# Altium PCB NGIStepDownPCB.PcbDoc (part 1 of 2) (continued)
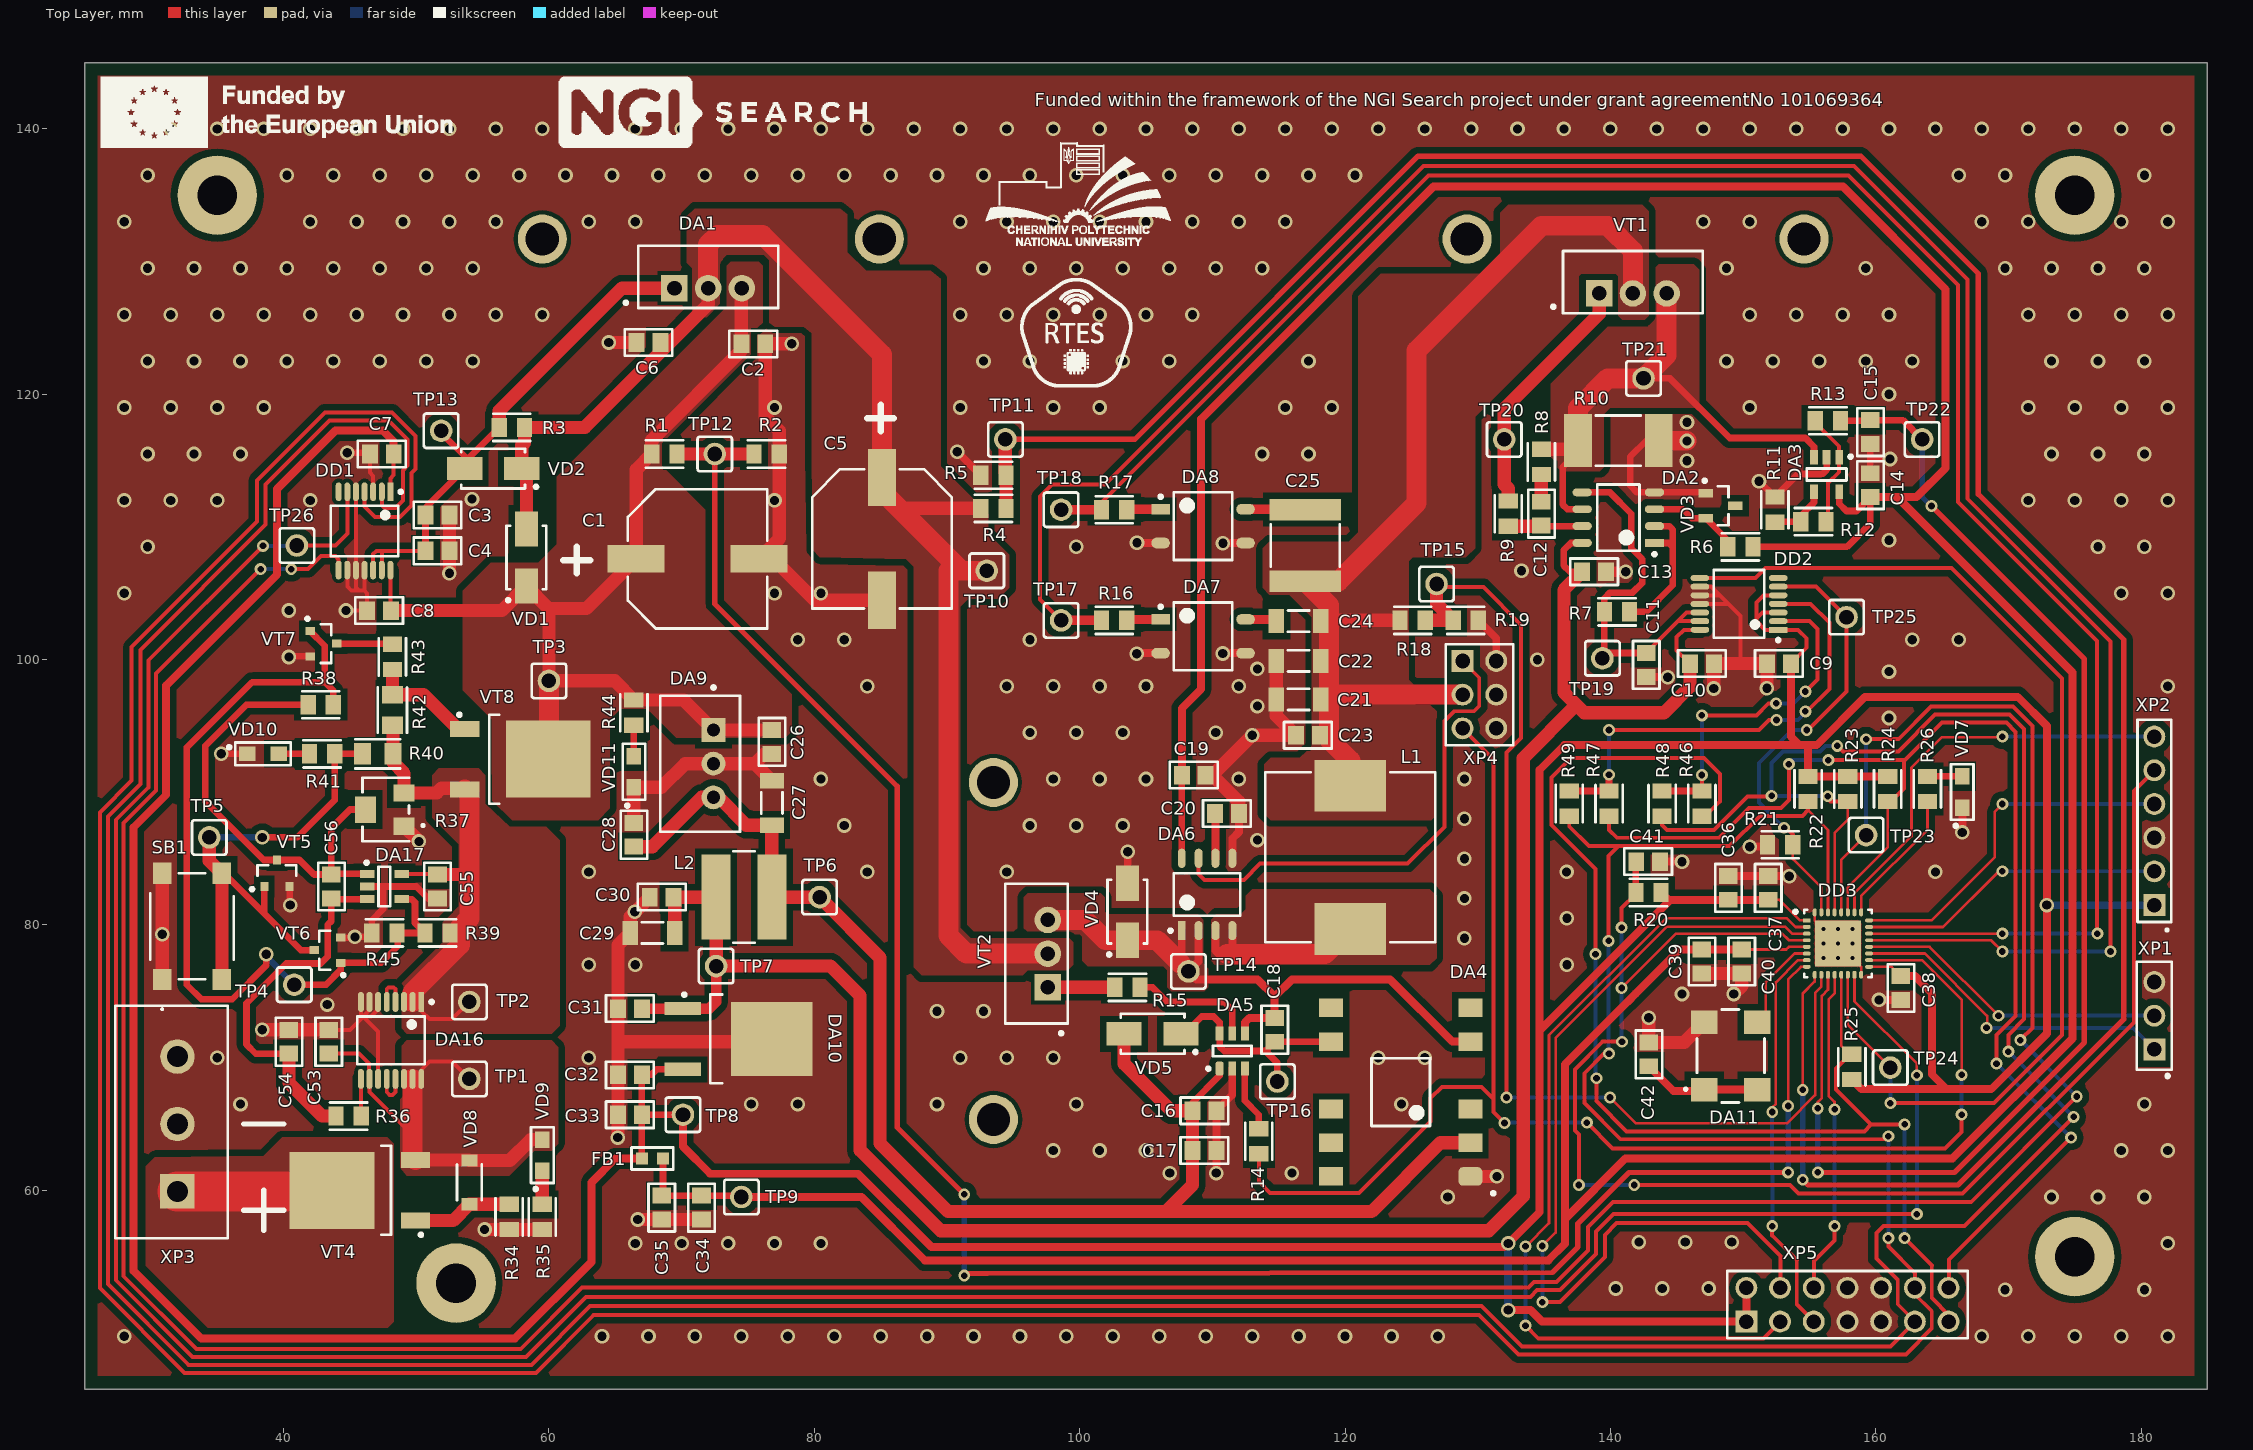
[diagram p0: Top Layer view]
## Components (designator, comment, footprint, x,y, rotation, side; value= is the part's Value field where it differs from the comment) (continued)
DA7 "G3VM-61GR2" SOP-4 109.3,101.76 r0 top
DA8 "G3VM-61GR2" SOP-4 109.3,110.06 r0 top
DA9 "PXO7812-500-S" PXO7812-500-S_POSITIVEOUTPUT 72.4,94.7 r270 top
DA10 "UA78M33CKVURG3" "TO-252 3pin THICKNESS2.52" 74.3,71.41 r0 top
DA11 "ASV-8.000MHZ-EJ-T" "HCMOS 7 mm x 5 mm" 148.9,70.25 r0 top value="8 Mhz"
DA16 "INA250A1PWR" TSSOP-16 48.1,71.3 r270 top
DA17 "TLV1701AIDCKR" "SOT-23 5pin" 47.6,82.9 r0 top
DD1 "MCP45HV51-502E/ST" TSOP-14 46.1,109.7 r270 top
DD2 "MCP45HV51-502E/ST" TSOP-14 149.7,104.2 r180 top
DD3 "STM32L432KCU6" UFQFPN-32 157.15,78.6 r0 top
FB1 "742792664" "742792664_Ferrite Beads_0603" 67.8,62.4 r0 top value=1000Ohm
L1 "SRR1280-100M" SRR1280-100M 120.4,85.1 r90 top value="10 uH"
L2 "SRN6045HA-470M" SRN6045HA-470M 74.7,82.1 r180 top value="47 uH"
R1 "RC0805FR-079K1L" Resistor0805_THICKNESS0.6 68.7,115.5 r0 top value="9.1 kOhms"
R2 "RC0805FR-101K3L" Resistor0805_THICKNESS0.6 76.4,115.5 r0 top value="1.3 kOhms"
R3 "RC0805FR-07120RL" Resistor0805_THICKNESS0.6 57.2,117.5 r0 top value="120 Ohms"
R4 "RC0805FR-079K1L" Resistor0805_THICKNESS0.6 93.5,111.4 r0 top value="9.1 kOhms"
R5 "RC0805FR-101K3L" Resistor0805_THICKNESS0.6 93.5,113.9 r180 top value="1.3 kOhms"
R6 "RC0805FR-103K9L" Resistor0805_THICKNESS0.6 149.8,108.5 r0 top value=3.9kOhms
R7 "RC0805FR-1020KL" Resistor0805_THICKNESS0.6 140.5,103.6 r0 top value="20 kOhms"
R8 "RC0805FR-072KL" Resistor0805_THICKNESS0.6 134.8,114.9 r270 top value="2 kOhms"
R9 "RC0805FR-07120RL" Resistor0805_THICKNESS0.6 132.3,111 r90 top value="120 Ohms"
R10 "CRA2512-FZ-R100ELF" Resistor2512_THICKNESS_0.9 140.6,116.5 r180 top value="100 mOhms"
R11 "RC0805FR-072KL" Resistor0805_THICKNESS0.6 152.4,111.3 r90 top value="2 kOhms"
R12 "RC0805FR-0710KL" Resistor0805_THICKNESS0.6 155.3,110.4 r0 top value="10 kOhms"
R13 "RC0805FR-07120RL" Resistor0805_THICKNESS0.6 156.4,118 r0 top value="120 Ohms"
R14 "RC0805FR-07120RL" Resistor0805_THICKNESS0.6 113.5,63.7 r90 top value="120 Ohms"
R15 "RE0805FRE0710RL" Resistor0805_THICKNESS0.6 103.6,75.3 r180 top value="10 Ohms"
R16 "RC0805FR-07390RL" Resistor0805_THICKNESS0.6 102.6,102.96 r0 top value="390 Ohms"
R17 "RC0805FR-07390RL" Resistor0805_THICKNESS0.6 102.6,111.3 r0 top value="390 Ohms"
R18 "RC0805FR-079K1L" Resistor0805_THICKNESS0.6 125.1,102.96 r180 top value="9.1 kOhms"
R19 "RC0805FR-101K3L" Resistor0805_THICKNESS0.6 129.1,102.96 r180 top value="1.3 kOhms"
R20 "RC0805FR-0710KL" Resistor0805_THICKNESS0.6 142.875,82.45 r0 top value="10 kOhms"
R21 "RC0805FR-0710KL" Resistor0805_THICKNESS0.6 152.8,86.05 r180 top value="10 kOhms"
R22 "RC0805FR-0710KL" Resistor0805_THICKNESS0.6 154.9,90.25 r270 top value="10 kOhms"
R23 "RC0805FR-0710KL" Resistor0805_THICKNESS0.6 157.9,90.25 r90 top value="10 kOhms"
R24 "RC0805FR-0710KL" Resistor0805_THICKNESS0.6 160.9,90.25 r270 top value="10 kOhms"
R25 "RC0805FR-0710KL" Resistor0805_THICKNESS0.6 158.2,69.3 r90 top value="10 kOhms"
R26 "RC0805FR-10200RL" Resistor0805_THICKNESS0.6 163.9,90.25 r270 top value="200 Ohms"
R34 "RE0805FRE0739KL" Resistor0805_THICKNESS0.6 57,58 r90 top value="39 kOhms"
R35 "RC0805FR-132K2L" Resistor0805_THICKNESS0.6 59.5,58 r90 top value="2.2 kOhms"
R36 "RC0805FR-0710KL" Resistor0805_THICKNESS0.6 44.9,65.6 r180 top value="10 kOhms"
R37 "PVG5A203C03R00" PVG5A 47.7,88.7 r90 top value=20Kohms
R38 "RC0805FR-0751KL" Resistor0805_THICKNESS0.6 42.8,96.6 r0 top value="51 kOhms"
R39 "RC0805FR-0710KL" Resistor0805_THICKNESS0.6 51.6,79.4 r0 top value="10 kOhms"
R40 "RCS08051K80FKEA" "RCS0805 e3" 47.1,92.9 r0 top value=1.8Kohms
R41 "RC0805FR-13470RL" Resistor0805_THICKNESS0.6 42.9,92.9 r0 top value="470 Ohms"
R42 "RCS08051K80FKEA" "RCS0805 e3" 48.2,96.2 r270 top value=1.8Kohms
R43 "RC0805FR-07820RL" Resistor0805_THICKNESS0.6 48.2,100.2 r270 top value="820 Ohms"
R44 "RC0805FR-132K2L" Resistor0805_THICKNESS0.6 66.4,96 r90 top value="2.2 kOhms"
R45 "RC0805FR-0710KL" Resistor0805_THICKNESS0.6 47.6,79.4 r0 top value="10 kOhms"
R46 "RC0805FR-070RL" Resistor0805_THICKNESS0.6 146.9,89.15 r90 top value="0 Ohms"
R47 "RC0805FR-070RL" Resistor0805_THICKNESS0.6 139.9,89.15 r90 top value="0 Ohms"
R48 "RC0805FR-070RL" Resistor0805_THICKNESS0.6 143.9,89.15 r90 top value="0 Ohms"
R49 "RC0805FR-070RL" Resistor0805_THICKNESS0.6 136.9,89.15 r90 top value="0 Ohms"
SB1 "B3FS-1012P" "Flat Switches" 33.1,79.9 r270 top
TP1 "test point" "test point" 54,68.4 r0 top
TP2 "test point" "test point" 54,74.2 r0 top
TP3 "test point" "test point" 60,98.4 r0 top
TP4 "test point" "test point" 40.8,75.5 r0 top
TP5 "test point" "test point" 34.4,86.6 r0 top
TP6 "test point" "test point" 80.4,82.1 r0 top
TP7 "test point" "test point" 72.6,76.9 r0 top
TP8 "test point" "test point" 70.1,65.7 r0 top
TP9 "test point" "test point" 74.5,59.5 r0 top
TP10 "test point" "test point" 93,106.7 r90 top
TP11 "test point" "test point" 94.4,116.6 r0 top
TP12 "test point" "test point" 72.5,115.5 r90 top
TP13 "test point" "test point" 51.875,117.25 r270 top
TP14 "test point" "test point" 108.2,76.5 r90 top
TP15 "test point" "test point" 126.9,105.7 r90 top
TP16 "test point" "test point" 114.9,68.2 r90 top
TP17 "test point" "test point" 98.6,102.96 r90 top
TP18 "test point" "test point" 98.6,111.3 r90 top
TP19 "test point" "test point" 139.4,100.1 r90 top
TP20 "test point" "test point" 132,116.6 r90 top
TP21 "test point" "test point" 142.5,121.2 r90 top
TP22 "test point" "test point" 163.5,116.6 r90 top
TP23 "test point" "test point" 159.275,86.775 r90 top
TP24 "test point" "test point" 161.1,69.25 r90 top
TP25 "test point" "test point" 157.8,103.2 r90 top
TP26 "test point" "test point" 41,108.6 r90 top
VD1 "RS1A" "RS1A_CASE_SMA 403AE" 58.3,107.7 r90 top
VD2 "RS1A" "RS1A_CASE_SMA 403AE" 55.8,114.4 r180 top
VD3 "LM4040DYM3-2.5-TR" "SOT23 3pin" 148.3,111.6 r0 top
VD4 "SDT5A50SA-13" "RS1A_CASE_SMA 403AE" 103.6,81 r90 top
VD5 "RS1A" "RS1A_CASE_SMA 403AE" 105.5,71.8 r180 top
VD7 "APT2012LZGCK" APT2012LZGCK0805_LEDs 166.525,90.075 r270 top
VD8 "MMSZ4697T1G" SOD-123-2 54,60.6 r270 top
VD9 "APT2012LZGCK" APT2012LZGCK0805_LEDs 59.5,62.7 r270 top
VD10 "APT2012EC" APT2012LZGCK0805_LEDs 38.5,92.9 r180 top
VD11 "APT2012LZGCK" APT2012LZGCK0805_LEDs 66.4,91.6 r270 top
VT1 "IRFZ24NPBF" "IRFZ24NPBF TO-220 with HS FA-T220-64E" 141.7,127.6 r0 top
VT2 "IRFZ24NPBF" "IRFZ24NPBF TO-220 with HS FA-T220-64E" 97.6,77.84 r90 top
VT4 "IPD70P04P409ATMA2" TO-252-3 46,60 r180 top
VT5 "2N7002NXAKR" SOT-23-3 39.5,83.9 r90 top
VT6 "2N7002NXAKR" SOT-23-3 43.3,78.1 r180 top
VT7 "2N7002NXAKR" SOT-23-3 43,101.2 r0 top
VT8 "IPD70P04P409ATMA2" TO-252-3 57.6,92.5 r0 top
XP1 "M20-9770346" "3 VERTICAL PIN Pitch: 2.54 mm" 181,70.62 r90 top
XP2 "M20-9990646" "6 VERTICAL PIN Pitch: 2.54 mm" 181,81.5 r90 top
XP3 "691311500103" 691311500103 32,59.92 r90 top
XP4 "M20-9980346" M20-9980346 128.86,99.9 r270 top
XP5 "M20-9980746" M20-9980746 150.25,50.11 r0 top

## Footprints (in the part's own frame and the unit in brackets; to place one, negate y for a bottom-side part, rotate by r counter-clockwise, add the part's x,y. Pads: shape width x height; smd on the part's side, far side on the other; paste and mask are expansions set on the pad)
"3 VERTICAL PIN Pitch: 2.54 mm" [mm]
  rect 1.65x1.65 hole 1.1: 1(0,0)
  round 1.65 hole 1.1: 2(2.54,0) 3(5.08,0)
  silkscreen extent -2.12,-1.32 6.6,1.32, body extent -1.27,-1.27 6.35,1.27, height 8.3
"6 VERTICAL PIN Pitch: 2.54 mm" [mm]
  rect 1.65x1.65 hole 1.1: 1(0,0)
  round 1.65 hole 1.1: 2(2.54,0) 3(5.08,0) 4(7.62,0) 5(10.16,0) 6(12.7,0)
  silkscreen extent -1.97,-1.27 13.97,1.27, body extent -1.27,-1.27 13.97,1.27, height 8.64
"742792664_Ferrite Beads_0603" [mm]
  rect 0.9x0.9 smd: 1(-0.8,0) 2(0.8,0)
  silkscreen extent -1.58,-0.82 1.58,0.82, body extent -0.8,-0.4 0.8,0.4, height 0.8
691311500103 [mm]
  rect 2.6x2.6 hole 1.6: 1(0,0)
  round 2.6 hole 1.6: 2(5.08,0) 3(10.16,0)
  silkscreen extent -3.54,-3.8 14,4.7, body extent -3.52,-4.45 13.72,10.65, height 21.45
APT2012LZGCK0805_LEDs [mm]
  rect 1.25x1.1 smd: A(-1.125,0) C(1.225,0)
  silkscreen extent -2.05,-0.85 2.72,0.85, body extent -1,-0.63 1,0.63, height 0.75
Capacitor0805_THICKNESS0.6 [mm] "Chip Capacitor, 2-Leads, Body 2,00x1,25mm, IPC Medium Density"
  rect 1.2x1.4 smd: 1(-0.9,0) 2(0.9,0)
  silkscreen extent -1.8,-1 1.8,1, body extent -1.05,-0.67 1.05,0.67, height 0.6
Capacitor0805_THICKNESS0.8 [mm] "Chip Capacitor, 2-Leads, Body 2,00x1,25mm, IPC Medium Density"
  rect 1.2x1.4 smd: 1(-0.9,0) 2(0.9,0)
  silkscreen extent -1.8,-1 1.8,1, body extent -1.05,-0.67 1.05,0.67, height 0.8
Capacitor0805_THICKNESS1.25 [mm] "Chip Capacitor, 2-Leads, Body 2,00x1,25mm, IPC Medium Density"
  rect 1.2x1.4 smd: 1(-0.9,0) 2(0.9,0)
  silkscreen extent -1.8,-1 1.8,1, body extent -1.05,-0.67 1.05,0.67, height 1.25
Capacitor0805_THICKNESS1.45 [mm] "Chip Capacitor, 2-Leads, Body 2,00x1,25mm, IPC Medium Density"
  rect 1.2x1.4 smd: 1(-0.9,0) 2(0.9,0)
  silkscreen extent -1.8,-1 1.8,1, body extent -1.1,-0.72 1.1,0.72, height 1.45
Capacitor1206_THICKNESS1.6 [mm] "Chip Capacitor, 2-Leads, Body 3,20x1,60mm, IPC Medium Density"
  rect 1.15x1.8 smd: 1(-1.675,0) 2(1.675,0)
  silkscreen extent -0.8,-0.8 0.8,0.8, body extent -1.7,-0.9 1.7,0.9, height 1.6
Capacitor2220_THICKNESS3.1 [mm] "Chip Capacitor, 2-Leads, Body 5,70x5,00mm, IPC Medium Density"
  rect 1.6x5.4 smd: 1(-2.7,0) 2(2.7,0)
  silkscreen extent -1.6,-2.6 1.6,2.6, body extent -3.05,-2.7 3.05,2.7, height 3.1
EEH-ZA1V101P [mm] "Aluminum Electrolytic Capacitor, Body 10,30x10,30x10,50mm, IPC Medium Density"
  rect 4.3x2.1 smd: 1(-4.625,0) 2(4.625,0)
  silkscreen extent -10.1,-5.25 5.25,5.25, body extent -6,-5.25 6,5.25, height 10.5
"Flat Switches" [mm]
  rect 1.6x1.4 smd: 1(4,-2.25) 2(-4,-2.25) 3(4,2.25) 4(-4,2.25)
  silkscreen extent -4,-3.15 6.3,3.15, body extent -4,-3.15 4,3.15, height 4.38
"HCMOS 7 mm x 5 mm" [mm]
  rect 2x1.8 smd: 1(-1.825,-2.665) 2(-1.825,2.415) 3(2.175,2.415) 4(2.175,-2.665)
  silkscreen extent -3.32,-3.62 2.72,3.38, body extent -2.32,-3.63 2.68,3.37, height 1.71
"IRFZ24NPBF TO-220 with HS FA-T220-64E" [mm]
  rect 2x2 hole 1.1: 1(-2.54,0)
  round 2 hole 1.1: 2(0,0) 3(2.54,0)
  round 3.7 hole 2.5: 4(-12.5,4.1) 5(12.9,4.1)
  silkscreen extent -6.12,-1.5 5.27,3.2, body extent -20.6,-8.5 21,16.63, height 63.5
"LM338T TO-220 with HS FA-T220-64E" [mm]
  rect 2x2 hole 1.1: 1(-2.54,0)
  round 2 hole 1.1: 2(0,0) 3(2.54,0)
  round 3.7 hole 2.5: 4(-12.5,3.7) 5(12.9,3.7)
  silkscreen extent -6.32,-1.5 5.27,3.2, body extent -20.6,-8.87 21,16.27, height 63.5
M20-9980346 [mm]
  rect 1.65x1.65 hole 1.1: 1(0,0)
  round 1.65 hole 1.1: 2(0,2.54) 3(2.54,0) 4(2.54,2.54) 5(5.08,0) 6(5.08,2.54)
  silkscreen extent -1.27,-1.27 6.35,3.81, body extent -1.27,-1.27 6.35,3.81, height 8.68
M20-9980746 [mm]
  rect 1.65x1.65 hole 1.1: 1(0,0)
  round 1.65 hole 1.1: 2(0,2.54) 3(2.54,0) 4(2.54,2.54) 5(5.08,0) 6(5.08,2.54) 7(7.62,0) 8(7.62,2.54) 9(10.16,0) 10(10.16,2.54) 11(12.7,0) 12(12.7,2.54) 13(15.24,0) 14(15.24,2.54)
  silkscreen extent -1.45,-1.27 16.69,3.81, body extent -1.27,-1.26 16.51,3.74, height 8.4
PVG5A [mm]
  rect 1.3x1.6 smd: 1(-1.25,-1.375) 3(1.25,-1.375)
  rect 2x1.6 smd: 2(0,1.525)
  silkscreen extent -2.4,-2.9 2.4,1.75, body extent -2.4,-1.85 2.4,1.85, height 5.6
PXO7812-500-S_POSITIVEOUTPUT [mm]
  rect 1.8x1.8 hole 1: 1(0,0)
  round 1.8 hole 1: 2(2.54,0) 3(5.08,0)
  silkscreen extent -3.32,-4 7.68,2, body extent -2.64,-4.3 7.64,0.69, height 10.61
"RCS0805 e3" [mm]
  rect 1.3x1.6 smd: 1(-1.15,0) 2(1.15,0)
  silkscreen extent -1.7,-1.1 1.7,1.1, body extent -1,-0.63 1,0.63, height 0.5
Resistor0805_THICKNESS0.6 [mm] "Chip Resistor, 2-Leads, Body 2,00x1,25mm, IPC Medium Density"
  rect 1.15x1.45 smd: 1(-0.95,0) 2(0.95,0)
  silkscreen extent -1.4,-1.02 1.4,1.02, body extent -1.05,-0.67 1.05,0.67, height 0.6
Resistor2512_THICKNESS_0.9 [mm] "Chip Resistor, 2-Leads, Body 6,40x3,20mm, IPC Medium Density"
  rect 2.1x4 smd: 1(-3.05,0) 2(3.05,0)
  silkscreen extent -1.7,-1.9 1.7,1.9, body extent -3.3,-1.7 3.3,1.7, height 0.9
"RS1A_CASE_SMA 403AE" [mm] "Molded Diode, 2-Leads, Body 4,38x2,73mm, IPC Medium Density"
  rect 2.65x1.75 smd: A(2.15,0) C(-2.15,0)
  silkscreen extent -3.35,-1.5 2.4,1.5, body extent -2.6,-1.48 2.6,1.48, height 2.5
SFTN02-N [mm] "SOP, 12-Leads, Body 15,24x10,90mm, Pitch 2,54mm, IPC Medium Density"
  rrect50% 1.8x1.4 smd: 1(-5.25,6.35)
  rect 1.8x1.4 smd: 2(-5.25,3.81) 3(-5.25,1.27) 5(-5.25,-3.81) 6(-5.25,-6.35) 7(5.25,-6.35) 8(5.25,-3.81) 10(5.25,1.27) 11(5.25,3.81) 12(5.25,6.35)
  silkscreen extent -7.1,-2.55 2.2,7.75, body extent -5.65,-7.9 5.65,7.9, height 9.46
SOD-123-2 [mm]
  rect 0.91x1.22 smd: 1(-1.65,0) 2(1.65,0)
  silkscreen extent -1.35,-0.92 1.34,0.92, body extent -1.84,-0.8 1.84,0.8, height 1.33
SOIC-8 [mm] "SOIC, 8-Leads, Body 4,91x3,90mm, Pitch 1,27mm, IPC Medium Density"
  rect 1.45x0.6 smd: 1(-2.725,1.905)
  oval 1.45x0.6 smd: 2(-2.725,0.635) 3(-2.725,-0.635) 4(-2.725,-1.905) 5(2.725,-1.905) 6(2.725,-0.635) 7(2.725,0.635) 8(2.725,1.905)
  silkscreen extent -2.85,-2.5 1.6,2.88, body extent -3,-2.5 3,2.5, height 1.75
SOP-4 [mm] "SOP, 4-Leads, Body 3,90x4,40mm, Pitch 2,54mm, IPC Medium Density"
  rect 1.4x0.8 smd: 1(-3.2,1.27)
  oval 1.4x0.8 smd: 2(-3.2,-1.27) 3(3.2,-1.27) 4(3.2,1.27)
  silkscreen extent -3.32,-2.55 2.2,2.55, body extent -3.5,-2.05 3.5,2.05, height 2.1
"SOT23 3pin" [mm] "SOT23, 3-Leads, Body 3,10x2,37mm, Pitch 0,95mm, IPC Medium Density"
  rect 1.1x0.65 smd: 1(-1.1,0.95) 2(-1.1,-0.95) 3(1.1,0)
  silkscreen extent -1.32,-1.46 0.6,2, body extent -1.18,-1.46 1.18,1.46, height 1.11
"SOT23 6pin" [mm] "SOT23, 6-Leads, Body 2,90x2,80mm, Pitch 0,95mm, IPC Medium Density"
  rrect50% 1.05x0.6 smd: 1(-1.325,0.95)
  rect 1.05x0.6 smd: 2(-1.325,0) 3(-1.325,-0.95) 4(1.325,-0.95) 5(1.325,0) 6(1.325,0.95)
  silkscreen extent -1.45,-1.45 0.4,1.92, body extent -1.4,-1.45 1.4,1.45, height 1.45
"SOT-23 5pin" [mm] "SOT23, 5-Leads, Body 2,90x2,80mm, Pitch 0,95mm, IPC Medium Density"
  rect 1.1x0.6 smd: 1(-1.3,0.95) 2(-1.3,0) 3(-1.3,-0.95) 4(1.3,-0.95) 5(1.3,0.95)
  silkscreen extent -1.47,-1.5 0.45,1.93, body extent -1.5,-1.5 1.5,1.5, height 1.45
SOT-23-3 [mm]
  rect 0.7x0.6 smd: 1(-1,0.95) 2(-1,-0.95) 3(1,0)
  silkscreen extent -1.32,-1.45 0.6,2, body extent -1.2,-1.45 1.2,1.45, height 0.95
SRN6045HA-470M [mm]
  rect 2.2x6.4 smd: 1(-2.1,0) 2(2.1,0)
  silkscreen extent -0.8,-3.45 0.8,3.45, body extent -3,-3 3,3, height 4.7
SRR1280-100M [mm] "Precision Wire Wound Inductor, 2-Leads, Body 12,50x12,50mm, IPC Medium Density"
  rect 3.9x5.4 smd: 1(-5.4,0) 2(5.4,0)
  silkscreen extent -6.4,-6.4 6.4,6.4, body extent -6.25,-6.25 6.25,6.25, height 8
"test point" [mm]
  round 1.7 hole 1.1: 1(0,0)
  silkscreen extent -1.3,-1.3 1.3,1.3, body extent -1.27,-1.27 1.27,1.27, height 8.44
"TO-252 3pin THICKNESS2.52" [mm] "D-PAK, 3-Pads, Body 6,21x6,71mm (max), IPC Medium Density"
  rect 2.75x1 smd: 1(-4.2,2.29) 3(-4.2,-2.29)
  rect 6.15x5.55 smd: 2(2.5,0)
  silkscreen extent -4.22,-3.35 -1.25,3.46, body extent -4.98,-3.26 5.13,3.26, height 2.31
TO-252-3 [mm] "D-PAK, 3-Pads, Body 6,21x6,69mm (max), IPC Medium Density"
  rect 2.2x1.2 smd: 1(-3.95,2.28) 3(-3.95,-2.28)
  rect 6.4x5.8 smd: 2(2.35,0)
  silkscreen extent -4.47,-3.35 -1.35,3.47, body extent -4.62,-3.32 5.36,3.32, height 2.35
TSOP-14 [mm] "TSOP, 14-Leads, Body 5,00x4,40mm, Pitch 0,65mm, IPC Medium Density"
  rect 1.4x0.45 smd: 1(-2.95,1.95)
  oval 1.4x0.45 smd: 2(-2.95,1.3) 3(-2.95,0.65) 4(-2.95,0) 5(-2.95,-0.65) 6(-2.95,-1.3) 7(-2.95,-1.95) 8(2.95,-1.95) 9(2.95,-1.3) 10(2.95,-0.65) 11(2.95,0) 12(2.95,0.65) 13(2.95,1.3) 14(2.95,1.95)
  silkscreen extent -3.07,-2.55 1.9,2.85, body extent -3.2,-2.55 3.2,2.55, height 1.2
TSSOP-16 [mm] "TSOP, 16-Leads, Body 5,00x4,40mm, Pitch 0,65mm, IPC Medium Density"
  rect 1.5x0.45 smd: 1(-2.9,2.275)
  oval 1.5x0.45 smd: 2(-2.9,1.625) 3(-2.9,0.975) 4(-2.9,0.325) 5(-2.9,-0.325) 6(-2.9,-0.975) 7(-2.9,-1.625) 8(-2.9,-2.275) 9(2.9,-2.275) 10(2.9,-1.625) 11(2.9,-0.975) 12(2.9,-0.325) 13(2.9,0.325) 14(2.9,0.975) 15(2.9,1.625) 16(2.9,2.275)
  silkscreen extent -3.02,-2.55 1.8,3.17, body extent -3.2,-2.55 3.2,2.55, height 1.2
UFQFPN-32 [mm] "PQFN, 32-Leads, Body 5,00x5,00mm, Pitch 0,50mm, Thermal Pad 3,45x3,45mm, IPC Medium Density"
  rect 0.6x0.3 smd: 1(-2.35,1.75)
  oval 0.6x0.3 smd: 2(-2.35,1.25) 3(-2.35,0.75) 4(-2.35,0.25) 5(-2.35,-0.25) 6(-2.35,-0.75) 7(-2.35,-1.25) 8(-2.35,-1.75) 17(2.35,-1.75) 18(2.35,-1.25) 19(2.35,-0.75) 20(2.35,-0.25) 21(2.35,0.25) 22(2.35,0.75) 23(2.35,1.25) 24(2.35,1.75)
  oval 0.3x0.6 smd: 9(-1.75,-2.35) 10(-1.25,-2.35) 11(-0.75,-2.35) 12(-0.25,-2.35) 13(0.25,-2.35) 14(0.75,-2.35) 15(1.25,-2.35) 16(1.75,-2.35) 25(1.75,2.35) 26(1.25,2.35) 27(0.75,2.35) 28(0.25,2.35) 29(-0.25,2.35) 30(-0.75,2.35) 31(-1.25,2.35) 32(-1.75,2.35)
  rect 3.45x3.45 smd: 33(0,0)
  silkscreen extent -3.32,-2.55 2.55,2.55, body extent -2.55,-2.55 2.55,2.55, height 0.6

## Part data
C1 C5: "Aluminium Organic Polymer Capacitors 35VDC 100uF 20% AEC-Q200", Case=G, Manufacturer=Panasonic, Mouser Part Number=667-EEH-ZA1V101P, Power/Voltage=35V, Tolerance=20%, Datasheet Link=https://eu.mouser.com/datasheet/2/315/ABA0000C1221-1280637.pdf, ESR="27 mOhms", ManufacturerPartNumber=EEH-ZA1V101P, Mouser Price/Stock=https://eu.mouser.com/ProductDetail/Panasonic/EEH-ZA1V101P?qs=sGAEpiMZZMvwFf0viD3Y3a3yb5D6sPUgQ6Q%252BT2xzDvzCb9%252BaM%252B4sJw%3D%3D
C2 C4 C6 C7 C8 C9 C10 C13 C14 C16 C23 C28 C30 C32 C35 C37 C38 C41 C53 C55: "Multilayer Ceramic Capacitors MLCC - SMD/SMT 100nF+/-10% 50V X7R 0805", Case=0805, Dielectric=X7R, Manufacturer="Samsung Electro-Mechanics", Mouser Part Number=187-CL21B104KBCNNWC, Power/Voltage=50V, Tolerance=10%, Datasheet Link=https://eu.mouser.com/datasheet/2/585/MLCC-1837944.pdf, ManufacturerPartNumber=CL21B104KBCNNWC, Mouser Price/Stock=https://eu.mouser.com/ProductDetail/Samsung-Electro-Mechanics/CL21B104KBCNNWC?qs=yOVawPpwOwlu2UTVxWhmlw%3D%3D
C3 C26: "Multilayer Ceramic Capacitors MLCC - SMD/SMT 10 uF 35 VDC 10% 0805 X5R", Case=0805, Dielectric=X5R, Manufacturer=Murata, Mouser Part Number=81-GRM21BR6YA106KE3K, Power/Voltage=35V, Tolerance=10%, Datasheet Link=https://eu.mouser.com/datasheet/2/281/1/GRM21BR6YA106KE43_01A-1986981.pdf, ManufacturerPartNumber=GRM21BR6YA106KE43K, Mouser Price/Stock=https://eu.mouser.com/ProductDetail/Murata-Electronics/GRM21BR6YA106KE43K?qs=QzBtWTOodeW8NrklCAafzg%3D%3D
C11 C40 C42: "Multilayer Ceramic Capacitors MLCC - SMD/SMT 10nF+/-10% 50V X7R 2 0805", Case=0805, Dielectric=X7R, Manufacturer="Samsung Electro-Mechanics", Mouser Part Number=187-CL21B103KBANNNL, Power/Voltage=50V, Tolerance=10%, Datasheet Link=https://eu.mouser.com/datasheet/2/585/MLCC-1837944.pdf, ManufacturerPartNumber=CL21B103KBANNNL, Mouser Price/Stock=https://eu.mouser.com/ProductDetail/Samsung-Electro-Mechanics/CL21B103KBANNNL?qs=sGAEpiMZZMvsSlwiRhF8qtsGU%2FCnaNeQUbGZYi74bLm5gwqVLR8V4A%3D%3D
C12: "Multilayer Ceramic Capacitors MLCC - SMD/SMT 22nF+/-10% 50V X7R 2 0805", Case=0805, Dielectric=X7R, Manufacturer="Samsung Electro-Mechanics", Mouser Part Number=187-CL21B223KBANNND, Power/Voltage=50V, Tolerance=10%, Datasheet Link=https://eu.mouser.com/datasheet/2/585/MLCC-1837944.pdf, ManufacturerPartNumber=CL21B223KBANNND, Mouser Price/Stock=https://eu.mouser.com/ProductDetail/Samsung-Electro-Mechanics/CL21B223KBANNND?qs=sGAEpiMZZMvsSlwiRhF8qlxW52pIu5FNS13PGP1GZqY%3D
C15: "Multilayer Ceramic Capacitors MLCC - SMD/SMT 50V 0.033uF X7R 0805 10%", Case=0805, Dielectric=X7R, Manufacturer=KEMET, Mouser Part Number=80-C0805C333K5RAC, Power/Voltage=50V, Tolerance=10%, Datasheet Link=https://eu.mouser.com/datasheet/2/447/KEM_C1002_X7R_SMD-3316098.pdf, ManufacturerPartNumber=C0805C333K5RAC, Mouser Price/Stock=https://eu.mouser.com/ProductDetail/KEMET/C0805C333K5RAC?qs=sGAEpiMZZMvsSlwiRhF8qtpM02mjhsWZUP8GnSbnH5w%3D